# Allegro board Notecarrier-B PCB v2.1.brd
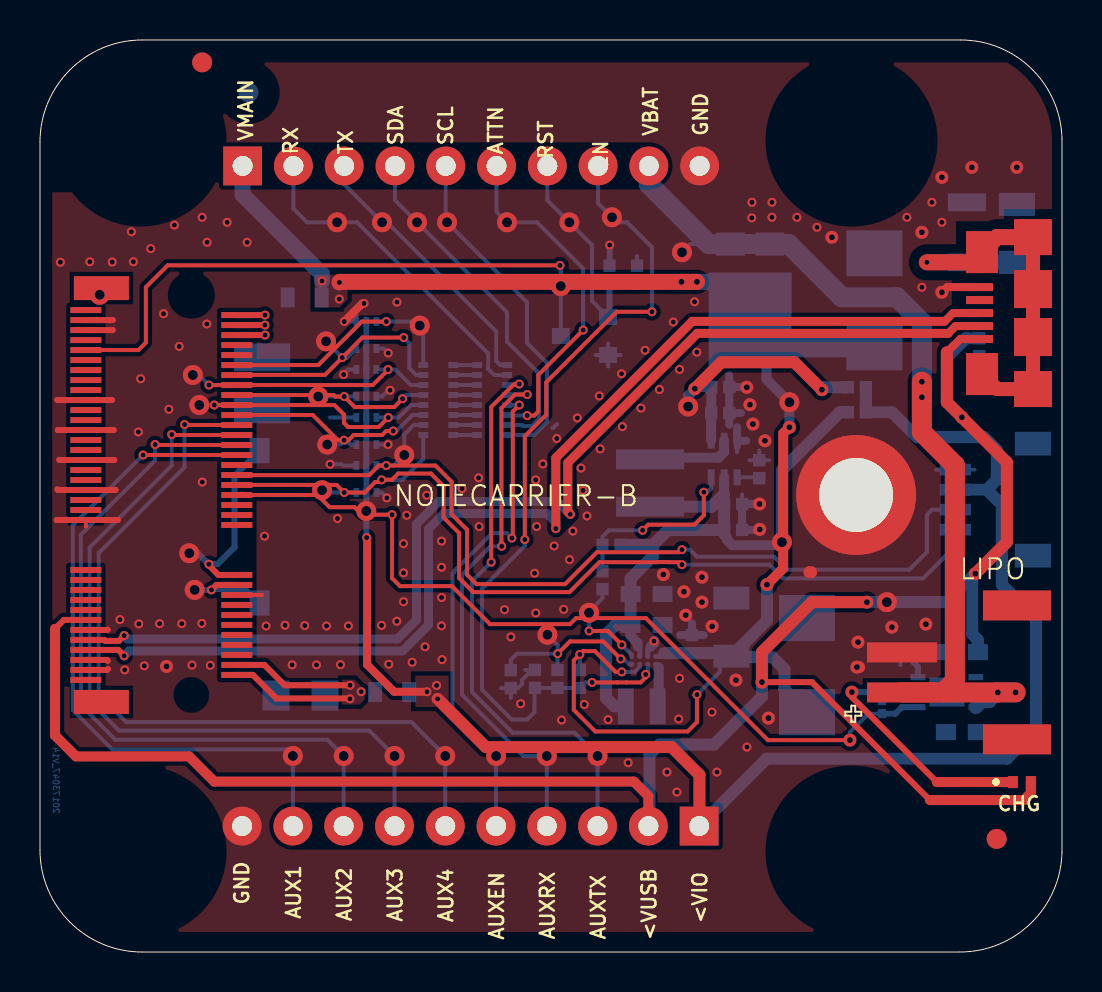
[diagram p0: board, top side]
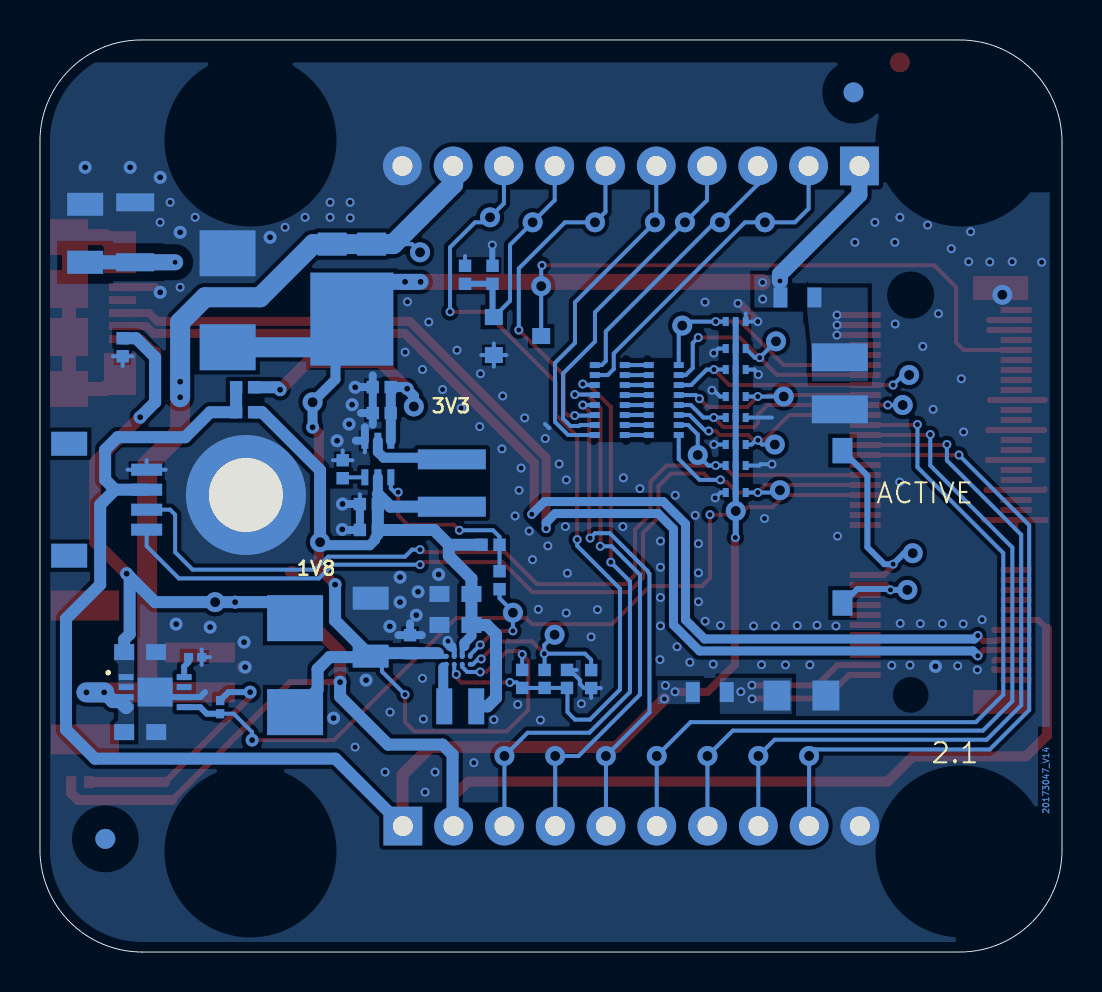
[diagram p1: board, bottom side, seen from below]

Outline 51.12 x 45.62 mm; copper layers: TOP, BOTTOM. Coordinates in mm from the lower left corner of the outline.
Outline path: 0,40.51 0,5.11 arc(1.5,1.5) 5.11,0 46.01,0 arc(49.58,1.46) 51.12,5 51.12,40.66 arc(49.6,44.17) 46.06,45.62 5.11,45.62 arc(1.5,44.12) 0,40.51

## Design rules (mm)
constraint set DEFAULT: pair gap 0.2
net group USB_CON_EXT_90: nets USB_DM USB_DP

## Placement (name value [footprint] x y rotation side)
C7  100n/16V  [CS-C-0402]  34.02 28.26 0 bottom
C8  10u/6.3V-X5R  [CS-C-0402]  34.02 26.96 0 bottom
C9  10u/6.3V-X5R  [CS-C-0402]  34.67 21.11 0 bottom
C10  100n/16V  [CS-C-0402]  34.67 22.41 0 bottom
C13  47u/16V-X5R  [CS-C-1206]  34.58 16.3 90 bottom
C14  4.7u/6.3V-X5R  [CS-C-0402]  32.61 15.4 90 bottom
C15  10u/10V-X5R  [CS-C-0603]  30.34 16.36 0 bottom
C16  10u/10V-X5R  [CS-C-0603]  30.34 17.91 0 bottom
C111  100n/16V  [CS-C-0402]  46.98 30.25 270 bottom
C112  10n/1kV  [CS-C-1206]  48.86 36 90 bottom
C113  NU  [CS-T-A]  13.03 12.83 180 bottom
C114  NU  [CS-T-B]  11.11 29.75 270 bottom
C115  100n/16V  [CS-C-0402]  28.48 33.88 90 bottom
C116  100n/16V  [CS-C-0402]  24.76 13.66 90 bottom
C117  4.7u/10V/X5R  [CS-C-0603]  46.11 11 180 bottom
C118  4.7u/10V/X5R  [CS-C-0603]  46.11 15 180 bottom
DS4  NU  [SOT563]  16.32 23.66 0 bottom
DS5  NU  [SOT563]  16.32 28.46 0 bottom
DS6  NU  [SOT563]  16.32 26.06 0 bottom
DS10  NU  [SOT563]  16.32 30.86 0 bottom
DS14  STPS3H100U  [SMB]  38.36 12 90 bottom
DS15  FSV1045V  [TO277-3]  35.52 32.66 0 bottom
DSW1  DIP-SW-CHS-01TB  [DSS-CHS-01TB]  10.98 21.27 180 bottom
F1  SF-0603F150-2  [FS-0603]  17.62 13 180 bottom
F2  3.5A/32V  [FS-0603]  13.24 32.74 180 bottom
FID1  TPS  [FIDUCIAL]  47.85 5.66 0 top
FID2  TPS  [FIDUCIAL]  8.11 44.5 0 top
FID3  TPS  [FIDUCIAL]  47.85 5.66 180 bottom
FID4  TPS  [FIDUCIAL]  10.43 43 180 bottom
J19  MICROUSB-B  [J-5-0065-FOS-MICROUSB10118192]  47.12 31.96 90 top
J20  MDT420E01001  [J-75-0050-MOS-M2-E]  7.57 22.86 90 top
J21  NU  [J-10-0254-MDT]  32.97 6.3 180 bottom
J22  NU  [J-10-0254-MDT]  10.14 39.32 0 bottom
J23  S2B-PH-SM4-K-TB(LF)(SN)  [J-2-0200-MOS-S2B]  45.97 13.99 270 top
J24  SM04B-SRSS-TBT  [J-4-0100-MOS-SH]  48.23 22.62 270 bottom
L2  1285AS-H-2R2M=P2  [LS-0806]  30.1 12.29 180 bottom
L4  XFL4020-222MEC  [LS-XFL4020]  30.52 23.46 270 bottom
LD1  SML-P12WTT86R  [LD-0402]  49.11 8.5 0 top
NOREF  -  []  46.41 10.6 90 top
NOREF#2  -  []  49.62 8.94 90 top
NOREF#3  -  []  12.74 33.24 0 top
NOREF#4  -  []  33.81 34.84 90 top
NOREF#5  -  []  30.43 6.3 0 top
NOREF#6  -  []  5.03 5.03 90 top
NOREF#7  -  []  24.45 14.42 0 top
NOREF#8  -  []  7.57 12.86 90 top
NOREF#9  -  []  48.86 34.5 90 top
NOREF#10  -  []  43.12 12.99 90 top
NOREF#11  -  []  -55.03 33.81 0 top
NOREF#12  -  []  12.48 12.08 90 top
NOREF#13  -  []  40.1 28.56 0 top
NOREF#14  -  []  7.57 32.86 0 top
NOREF#15  -  []  27.97 30.26 0 top
NOREF#16  -  []  31.02 20.57 90 top
NOREF#17  -  []  33.57 23.75 90 top
NOREF#18  -  []  46.41 14.6 90 top
NOREF#19  -  []  15.82 26.73 0 top
NOREF#20  -  []  37.24 29.54 90 top
NOREF#21  -  []  27.82 18.46 0 top
NOREF#22  -  []  34.81 21.42 0 top
NOREF#23  -  []  33.57 25.57 0 top
NOREF#24  -  []  42.42 28.46 0 top
NOREF#25  -  []  15.67 27.56 90 top
NOREF#26  -  []  23.37 28.86 90 top
NOREF#27  -  []  9.85 13.86 90 top
NOREF#28  -  []  21.72 29.11 90 top
NOREF#29  -  []  5.11 0 90 top
NOREF#30  -  []  50.25 6.31 0 top
NOREF#31  -  []  29.54 17.91 0 top
NOREF#32  -  []  10.48 24.44 90 top
NOREF#33  -  []  38.36 12 90 top
NOREF#34  -  []  46.67 30.11 0 top
NOREF#35  -  []  36.29 23.39 90 top
NOREF#36  -  []  16.67 28.01 0 top
NOREF#37  -  []  16.67 25.61 0 top
NOREF#38  -  []  24.76 13.21 90 top
NOREF#39  -  []  21.87 29.36 0 top
NOREF#40  -  []  16.82 27.79 90 top
NOREF#41  -  []  0 40.51 0 top
NOREF#42  -  []  34.47 25.4 0 top
NOREF#43  -  []  15.67 29.96 90 top
NOREF#44  -  []  0 40.51 0 top
NOREF#45  -  []  32.3 16.16 0 top
NOREF#46  -  []  40.51 0 90 top
NOREF#47  -  []  17.57 21.56 90 top
NOREF#48  -  []  26.19 12.9 90 top
NOREF#49  -  []  22.02 25.61 90 top
NOREF#50  -  []  15.67 22.76 90 top
NOREF#51  -  []  2.3 28.11 90 top
NOREF#52  -  []  16.67 30.41 0 top
NOREF#53  -  []  40.82 22.86 90 top
NOREF#54  -  []  20.52 25.61 0 top
NOREF#55  -  []  43.92 14.54 90 top
NOREF#56  -  []  34.81 22.72 0 top
NOREF#57  -  []  40.1 27.31 0 top
NOREF#58  -  []  26.05 30.81 0 top
NOREF#59  -  []  35.27 23.57 90 top
NOREF#60  -  []  7.57 32.86 0 top
NOREF#61  -  []  23.24 14.41 0 top
NOREF#62  -  []  33.58 26.96 0 top
NOREF#63  -  []  30.5 13.19 0 top
NOREF#64  -  []  40.82 22.86 0 top
NOREF#65  -  []  25.57 13.52 0 top
NOREF#66  -  []  40.41 27 0 top
NOREF#67  -  []  35.43 22.1 90 top
NOREF#68  -  []  28.9 11.39 0 top
NOREF#69  -  []  30.17 33.12 90 top
NOREF#70  -  []  44.63 13.88 0 top
NOREF#71  -  []  30.8 14.39 90 top
NOREF#72  -  []  45.91 38.45 0 top
NOREF#73  -  []  18.82 12.5 90 top
NOREF#74  -  []  2.3 13.61 90 top
NOREF#75  -  []  23.55 13.2 90 top
NOREF#76  -  []  45.62 32.06 90 top
NOREF#77  -  []  17.12 13.5 0 top
NOREF#78  -  []  44.06 11.88 90 top
NOREF#79  -  []  40.72 26.69 90 top
NOREF#80  -  []  0 40.51 0 top
NOREF#81  -  []  2.15 12.84 90 top
NOREF#82  -  []  14.44 32.24 90 top
NOREF#83  -  []  43.03 14.75 0 top
NOREF#84  -  []  34.16 28.57 0 top
NOREF#85  -  []  28.72 20.68 0 top
NOREF#86  -  []  35.16 16.8 90 top
NOREF#87  -  []  40.51 0 90 top
NOREF#88  -  []  15.67 25.16 90 top
NOREF#89  -  []  40.59 31.65 0 top
NOREF#90  -  []  9.7 13.09 90 top
NOREF#91  -  []  43.46 14.96 0 top
NOREF#92  -  []  11.13 13.58 0 top
NOREF#93  -  []  35.43 20.8 90 top
NOREF#94  -  []  35.67 24.01 0 top
NOREF#95  -  []  37.24 29.54 0 top
NOREF#96  -  []  16.82 25.39 90 top
NOREF#97  -  []  40.59 40.59 0 top
NOREF#98  -  []  10.41 28.35 90 top
NOREF#99  -  []  7.57 12.86 90 top
NOREF#100  -  []  49.44 36.5 90 top
NOREF#101  -  []  3.36 40.59 0 top
NOREF#102  -  []  11.11 27.15 90 top
NOREF#103  -  []  40.72 27.94 90 top
NOREF#104  -  []  47.3 29.49 90 top
NOREF#105  -  []  35.52 30.66 90 top
NOREF#106  -  []  9.85 18.36 90 top
NOREF#107  -  []  16.67 23.21 0 top
NOREF#108  -  []  49.81 8.2 90 top
NOREF#109  -  []  32.92 15.54 90 top
NOREF#110  -  []  5.03 40.59 0 top
NOREF#111  -  []  48.12 19.04 0 top
NOREF#112  -  []  40.51 0 90 top
NOREF#113  -  []  1.3 1.71 0 top
NOREF#114  -  []  3.67 31.84 90 top
NOREF#115  -  []  46.98 29.8 90 top
NOREF#116  -  []  46.36 34.5 90 top
NOREF#117  -  []  43.62 11.24 90 top
NOREF#118  -  []  42.34 12.37 90 top
NOREF#119  -  []  29.34 20.06 90 top
NOREF#120  -  []  -49.38 0 0 top
NOREF#121  -  []  2.3 13.61 0 top
NOREF#122  -  []  43.12 14.99 0 top
NOREF#123  -  []  28.13 18.15 90 top
NOREF#124  -  []  43.02 31.16 90 top
NOREF#125  -  []  25.6 30.41 90 top
NOREF#126  -  []  16.42 12.5 0 top
NOREF#127  -  []  27 13.21 90 top
NOREF#128  -  []  46.99 30.66 90 top
NOREF#129  -  []  40.51 0 90 top
NOREF#130  -  []  40.59 28.85 90 top
NOREF#131  -  []  34.01 13.9 0 top
NOREF#132  -  []  44.97 28.46 0 top
NOREF#133  -  []  28.48 33.42 90 top
NOREF#134  -  []  29.86 33.42 90 top
NOREF#135  -  []  45.91 33.55 90 top
NOREF#136  -  []  -2.43 22.31 90 top
NOREF#137  -  []  48.28 33.6 0 top
NOREF#138  -  []  34.54 35.41 0 top
NOREF#139  -  []  40.59 40.59 90 top
NOREF#140  -  []  19.32 25.61 90 top
NOREF#141  -  []  34.79 27.95 90 top
NOREF#142  -  []  51.82 27.96 90 top
NOREF#143  -  []  42.42 28.46 0 top
NOREF#144  -  []  5.03 40.59 90 top
NOREF#145  -  []  10.98 17.46 90 top
NOREF#146  -  []  27.41 39.33 0 top
NOREF#147  -  []  28.18 34.63 0 top
NOREF#148  -  []  -55.03 11.91 0 top
NOREF#149  -  []  28.42 29.86 90 top
NOREF#150  -  []  25.88 13.21 90 top
NOREF#151  -  []  15.82 24.34 0 top
NOREF#152  -  []  42.11 11.92 90 top
NOREF#153  -  []  19.17 29.36 0 top
NOREF#154  -  []  -50.93 0 0 top
NOREF#155  -  []  45.62 31.41 90 top
NOREF#156  -  []  11.13 12.08 0 top
NOREF#157  -  []  48.41 8.8 0 top
NOREF#158  -  []  19.02 29.11 90 top
NOREF#159  -  []  49.67 35.76 90 top
NOREF#160  -  []  40.59 5.03 0 top
NOREF#161  -  []  32.61 14.95 90 top
NOREF#162  -  []  30.52 22.27 90 top
NOREF#163  -  []  40.41 28.25 0 top
NOREF#164  -  []  41.73 30.25 90 top
NOREF#165  -  []  49.12 32.76 0 top
NOREF#166  -  []  42.42 28.46 90 top
NOREF#167  -  []  10.48 18.09 0 top
NOREF#168  -  []  30.4 15.06 90 top
NOREF#169  -  []  10.14 39.32 0 top
NOREF#170  -  []  29.6 14.79 0 top
NOREF#171  -  []  22.02 25.61 90 top
NOREF#172  -  []  29.54 16.36 0 top
NOREF#173  -  []  15.82 31.54 0 top
NOREF#174  -  []  37.21 13.4 0 top
NOREF#175  -  []  46.81 13.25 90 top
NOREF#176  -  []  37.21 10.6 90 top
NOREF#177  -  []  37.82 22.86 0 top
NOREF#178  -  []  34.58 14.8 90 top
NOREF#179  -  []  46.66 11.88 0 top
NOREF#180  -  []  20.67 28.86 90 top
NOREF#181  -  []  46.87 28.46 0 top
NOREF#182  -  []  29.55 33.73 0 top
NOREF#183  -  []  -2.43 21.81 90 top
NOREF#184  -  []  28.45 17.84 90 top
NOREF#185  -  []  15.82 29.14 0 top
NOREF#186  -  []  48.22 32.76 0 top
NOREF#187  -  []  33.58 28.26 0 top
NOREF#188  -  []  20.67 28.86 90 top
NOREF#189  -  []  29.04 15.96 90 top
NOREF#190  -  []  23.22 25.61 0 top
NOREF#191  -  []  -3.38 28.73 0 top
NOREF#192  -  []  2.47 34.59 0 top
NOREF#193  -  []  23.86 13.79 90 top
NOREF#194  -  []  12.04 32.24 0 top
NOREF#195  -  []  48.91 8.2 0 top
NOREF#196  -  []  -109.91 -125.97 0 top
NOREF#197  -  []  19.32 25.61 90 top
NOREF#198  -  []  45.31 11 0 top
NOREF#199  -  []  41.88 12.79 0 top
NOREF#200  -  []  46.09 12.12 90 top
NOREF#201  -  []  42.62 13.24 90 top
NOREF#202  -  []  16.82 30.18 90 top
NOREF#203  -  []  16.82 22.98 90 top
NOREF#204  -  []  45.31 15 0 top
NOREF#205  -  []  28.13 20.37 0 top
NOREF#206  -  []  34.16 27.27 0 top
NOREF#207  -  []  30.64 18.31 0 top
NOREF#208  -  []  30.64 16.76 0 top
NOREF#209  -  []  -49.38 45.62 0 top
NOREF#210  -  []  27.31 13.8 90 top
NOREF#211  -  []  0 5.11 0 top
NOREF#212  -  []  9.7 15.09 0 top
NOREF#213  -  []  7.57 12.86 90 top
NOREF#214  -  []  29.04 17.51 90 top
NOREF#215  -  []  3.07 12.51 90 top
NOREF#216  -  []  25.07 13.8 90 top
NOREF#217  -  []  35.52 30.66 90 top
NOREF#218  -  []  42.68 0 90 top
NOREF#219  -  []  10.41 28.55 0 top
NOREF#220  -  []  35.98 23.7 90 top
NOREF#221  -  []  23.37 28.86 90 top
NOREF#222  -  []  2.15 31.39 0 top
NOREF#223  -  []  3.46 5.53 0 top
NOREF#224  -  []  42.62 14.74 0 top
NOREF#225  -  []  30.02 20.57 0 top
NOREF#226  -  []  34.22 21.11 0 top
NOREF#227  -  []  44.81 15.4 0 top
NOREF#228  -  []  17.57 22.06 90 top
NOREF#229  -  []  33.81 34.84 0 top
NOREF#230  -  []  38.97 22.86 0 top
NOREF#231  -  []  32.97 6.3 0 top
NOREF#232  -  []  26.69 14.42 0 top
NOREF#233  -  []  34.79 26.65 90 top
NOREF#234  -  []  2.15 12.84 90 top
NOREF#235  -  []  9.85 13.86 90 top
NOREF#236  -  []  31.3 11.39 90 top
NOREF#237  -  []  44.81 11.4 0 top
NOREF#238  -  []  34.22 22.41 0 top
NOREF#239  -  []  28.79 34.02 90 top
NOREF#240  -  []  43.91 12.25 0 top
NOREF#241  -  [unnamed#2]  5.03 40.59 180 bottom
NOREF#242  -  [unnamed#2]  40.59 40.59 180 bottom
NOREF#243  -  [unnamed#2]  40.59 5.03 180 bottom
NOREF#244  -  [unnamed#2]  5.03 5.03 180 bottom
OBJ1  9774025151R  [DIST-WASMSIM0250]  40.82 22.86 0 top
Q2  AO3420  [SOT23]  28.42 31.76 0 bottom
R5  1k  [RS-0201]  42.11 12.25 90 bottom
R6  82k  [RS-0402]  35.98 24.15 270 bottom
R7  2.8k  [RS-0201]  43.36 14.75 0 bottom
R10  10M/5%  [RS-0402]  27 13.66 90 bottom
R307  1M  [RS-1206]  46.36 36 90 bottom
R318  0R  [RS-0402]  28.59 20.37 0 bottom
R319  1k  [RS-0402]  29.86 33.88 270 bottom
R322  0R  [RS-0402]  23.55 13.65 90 bottom
R323  NU  [RS-0402]  25.88 13.66 270 bottom
R324  NU  [RS-0402]  28.13 18.6 270 bottom
R325  0R  [RS-0402]  40.86 28.25 180 bottom
R326  NU  [RS-0402]  40.86 27 180 bottom
RR1  100R/5%  [RR-8X-1506]  22.62 27.61 270 bottom
RR2  100R/5%  [RR-8X-1506]  19.92 27.61 270 bottom
TVS1  SM6T6V8A  [SMB]  41.73 30.25 90 bottom
U3  MAX17225ELT  [WDFN6-0200X0200]  34.22 24.66 270 bottom
U4  TPS62748YFPT  [XFBGA8]  30.2 14.59 270 bottom
U5  MCP73831-2ACI/MC  [VFDFN8-EXP]  45.36 13 270 bottom

## Library data of the parts
C7 C10 C115 C116 = CS-C-0402-100n/16V
C8 C9 = CS-C-0402-10u/6V3-X5R
C13 = CS-C-1206-47u/16V-X5R: room: DC-DC 1V8
C14 = CS-C-0402-4.7u/6V3-X5R: room: DC-DC 1V8
C15 C16 = CS-C-0603-10u/10V-X5R
C111 = CS-C-0402-100n/16V: room: USB BOOT
C112 = CS-C-1206-10n/1kV: room: USB BOOT
C113 = CS-T-A-100u/6.3V
C114 = CS-T-B-220u/6.3V
C117 C118 = CS-C-0603-4.7u/10V-X5R
DS4-DS6 DS10 = DIODO4x - BAV99BRVA-7 -0.2A/75V: room: CONNETTORE HAT
DS14 = SCHOTTKY-STPS3H100U - 3A/100V
DS15 = SCHOTTKY - FSV1045V - 10A/45V
DSW1 = DIP-SW-1x-CHS-01TB-SMD
F1 = RAPIDO - SF-0603F150-2-1.5A/32V
F2 = RAPIDO - 0603SFV350F- 3.5A/32V
FID1-FID4 = FIDUCIAL
J19 = USB - MICROUSB-B-FCI10118192
J20 = AMPHENOL-75 - M-2 KEY E_10
J21 J22 = STRIP-J-10-0254-MDT
J23 = PH - J-2-0200-MOS-S2B
J24 = SH - J-4-0100-MDS-SH-BM04B
L2 = L - 1285AS-H-2R2M=P2-2.2u/1.5A: room: DC-DC 1V8
L4 = PW-XFL4020-222ME - 2.2u/3.1A
LD1 = LED G - SML-P12WTT86R - 0402
OBJ1 = DISTANZIALE - M2.5x0250
Q2 = NMOS - AO3420 - 6A/20V
R5 = RS-0201-1k
R6 = RS-0402-82k
R7 = RS-0201-2.8k
R10 = RS-0402-10M/5%
R307 = RS-1206-1M: room: USB BOOT
R318 R322 R325 R326 = RS-0402-0r
R319 = RS-0402-1k
R323 R324 = RS-0402
RR1 RR2 = RR-8X-1506-100r/5%
TVS1 = TVS-UNI - SM6T6V8A - 6.8V/600W
U3 = BOOST -  MAX17225ELT - 0.5A/ADJ
U4 = BUCK - TPS62748YFPT - 0.3A/ADJ: room: DC-DC 1V8
U5 = BAT-CHARGE - MCP73831T-2ACI/MC

## Footprints (pads in the part's own frame, mm; a bottom-side part is the same pattern mirrored in y, then rotated)
CS-C-0402
  rect 0.62x0.62 smd: 1(-0.45,0) 2(0.45,0)
CS-C-0603
  rect 1x0.8 smd: 1(-0.8,0) 2(0.8,0)
CS-C-1206
  rect 1.15x1.8 smd: 1(-1.5,0) 2(1.4,0)
CS-T-A
  rect 1.35x1.5 smd: 1(-1.225,0) 2(1.225,0)
CS-T-B
  rect 1.4x2.8 smd: 1(0,0) 2(2.6,0)
DIST-WASMSIM0250
  round 6 hole 3.7: 1(0,0)
DSS-CHS-01TB
  rect 1x1.27 smd: 1(0,3.81) 2(0,-3.81)
FIDUCIAL
  round 1 smd: 1(0,0)
FS-0603
  rect 0.7x1 smd: 1(-0.85,0) 2(0.85,0)
J-2-0200-MOS-S2B
  rect 1.5x3.4 smd: (-3.35,2.9) (3.35,2.9)
  rect 1x3.5 smd: 1(1,-2.85) 2(-1,-2.85)
J-4-0100-MOS-SH
  rect 1.2x1.8 smd: (-2.8,-1.425) (2.8,-1.425)
  rect 0.6x1.55 smd: 1(-1.5,2.45) 2(-0.5,2.45) 3(0.5,2.45) 4(1.5,2.45)
J-5-0065-FOS-MICROUSB10118192
  rect 0.4x1.35 smd: 1(-1.3,0.125) 2(-0.65,0.125) 3(0,0.125) 4(0.65,0.125) 5(1.3,0.125)
  rect 2.1x1.6 smd: 6(-3.05,0) 7(3.05,0)
  rect 1.9x1.9 smd: 8(-1.2,-2.55) 9(1.2,-2.55)
  rect 1.8x1.9 smd: 10(-3.8,-2.55) 11(3.8,-2.55)
J-10-0254-MDT
  rect 1.94x1.94 hole 1: 1(0,0)
  round 1.94 hole 1: 2(2.54,0) 3(5.08,0) 4(7.62,0) 5(10.16,0) 6(12.7,0) 7(15.24,0) 8(17.78,0) 9(20.32,0) 10(22.86,0)
J-75-0050-MOS-M2-E
  rect 1.2x2.75 smd: (-10.35,4.5) (10.35,4.5)
  round 0 hole 1.1 unplated: (-10,0)
  round 0 hole 1.6 unplated: (10,0)
  rect 0.3x1.55 smd: 1(-9.25,5.275) 2(-9,-2.275) 3(-8.75,5.275) 4(-8.5,-2.275) 5(-8.25,5.275) 6(-8,-2.275) 7(-7.75,5.275) 8(-7.5,-2.275) 9(-7.25,5.275) 10(-7,-2.275) 11(-6.75,5.275) 12(-6.5,-2.275) 13(-6.25,5.275) 14(-6,-2.275) 15(-5.75,5.275) 16(-5.5,-2.275) 17(-5.25,5.275) 18(-5,-2.275) 19(-4.75,5.275) 20(-4.5,-2.275) 21(-4.25,5.275) 22(-4,-2.275) 23(-3.75,5.275) 32(-1.5,-2.275) 33(-1.25,5.275) 34(-1,-2.275) 35(-0.75,5.275) 36(-0.5,-2.275) 37(-0.25,5.275) 38(0,-2.275) 39(0.25,5.275) 40(0.5,-2.275) 41(0.75,5.275) 42(1,-2.275) 43(1.25,5.275) 44(1.5,-2.275) 45(1.75,5.275) 46(2,-2.275) 47(2.25,5.275) 48(2.5,-2.275) 49(2.75,5.275) 50(3,-2.275) 51(3.25,5.275) 52(3.5,-2.275) 53(3.75,5.275) 54(4,-2.275) 55(4.25,5.275) 56(4.5,-2.275) 57(4.75,5.275) 58(5,-2.275) 59(5.25,5.275) 60(5.5,-2.275) 61(5.75,5.275) 62(6,-2.275) 63(6.25,5.275) 64(6.5,-2.275) 65(6.75,5.275) 66(7,-2.275) 67(7.25,5.275) 68(7.5,-2.275) 69(7.75,5.275) 70(8,-2.275) 71(8.25,5.275) 72(8.5,-2.275) 73(8.75,5.275) 74(9,-2.275) 75(9.25,5.275)
LD-0402
  rect 0.5x0.6 smd: 1(-0.45,0) 2(0.45,0)
LS-0806
  rect 0.8x1.8 smd: 1(-0.8,0) 2(0.8,0)
LS-XFL4020
  rect 1x3.4 smd: 1(-1.185,0) 2(1.185,0)
RR-8X-1506
  rect 0.3x0.5 smd: 1(-1.75,-0.75) 2(-1.25,-0.75) 3(-0.75,-0.75) 4(-0.25,-0.75) 5(0.25,-0.75) 6(0.75,-0.75) 7(1.25,-0.75) 8(1.75,-0.75) 9(1.75,0.75) 10(1.25,0.75) 11(0.75,0.75) 12(0.25,0.75) 13(-0.25,0.75) 14(-0.75,0.75) 15(-1.25,0.75) 16(-1.75,0.75)
RS-0201
  rect 0.46x0.42 smd: 1(-0.33,0) 2(0.33,0)
RS-0402
  rect 0.62x0.62 smd: 1(-0.45,0) 2(0.45,0)
RS-1206
  rect 0.9x1.9 smd: 1(-1.5,0) 2(1.5,0)
SMB
  rect 2.3x2.8 smd: 1(0,0) 2(4.7,0)
SOT23
  rect 0.9x0.8 smd: 1(0,0) 2(0,1.9) 3(-2.37,0.95)
SOT563
  rect 0.3x0.45 smd: 1(-0.5,-0.675) 2(0,-0.675) 3(0.5,-0.675) 4(0.5,0.675) 5(0,0.675) 6(-0.5,0.675)
TO277-3
  rect 1.45x1.15 smd: 1(0.985,-2.75) 2(-0.985,-2.75)
  rect 4.15x4.65 smd: 3(0,1)
unnamed#2
  round 0 hole 3.3 unplated: (0,0)
VFDFN8-EXP
  rect 0.3x0.75 smd: 1(-0.75,-1.45) 2(-0.25,-1.45) 3(0.25,-1.45) 4(0.75,-1.45) 5(0.75,1.45) 6(0.25,1.45) 7(-0.25,1.45) 8(-0.75,1.45)
  rect 1.45x1.75 smd: 9(0,0)
WDFN6-0200X0200
  rect 0.8x0.35 smd: 1(-0.915,0.65) 2(-0.915,0) 3(-0.915,-0.65) 4(0.915,-0.65) 5(0.915,0) 6(0.915,0.65)
XFBGA8
  round 0.25 smd: A1(0.2,-0.6) A2(-0.2,-0.6) B1(0.2,-0.2) B2(-0.2,-0.2) C1(0.2,0.2) C2(-0.2,0.2) D1(0.2,0.6) D2(-0.2,0.6)

## Nets
+1V8: C9.1 C10.1 C15.1 C16.1 L2.2 L4.2 R318.2 R326.2 U3.5 U4.C2
+3V3: C7.1 C8.1 R325.2 U3.1
GND: C7.2 C8.2 C9.2 C10.2 C13.2 C14.2 C15.2 C16.2 C111.2 C112.2 C113.2 C114.2 C115.2 C116.2 C117.2 C118.2 DS4.1 DS4.4 DS5.1 DS5.4 DS6.1 DS6.4 DS10.1 DS10.4 J19.5 J20.3 J20.5 J20.6 J20.11 J20.18 J20.33 J20.39 J20.45 J20.51 J20.57 J20.71 J20.73 J21.10 J22.10 J23.2 J24.1 OBJ1.1 Q2.2(S) R6.1 R7.1 R307.2 R319.1 R322.1 TVS1.2 U3.3 U4.B2 U5.6(VSS) U5.9
VBAT: C117.1 DS15.1 DS15.2 J22.9 J23.1 U5.3 U5.4
ATTN: J22.6 RR1.6
ATTN_P: DS6.6 J20.54 RR2.11
AUX1: J20.46 J21.9
AUX2: J20.48 J21.8
AUX3: J20.50 J21.7
AUX4: J20.52 J21.6
AUX5: J20.38 R5.1 U5.5
AUX_EN: J21.5 RR1.5
AUX_EN_P: DS6.3 J20.56 RR2.12
AUX_RX: J21.4 RR1.4
AUX_RX_P: DS5.6 J20.58 RR2.13
AUX_TX: J21.3 RR1.3
AUX_TX_P: DS5.3 J20.60 RR2.14
BOOST_EN: R324.2 U4.D2
EN: C116.1 J22.8 R10.1 R323.2 U4.B1
NRST: J20.67 Q2.3
RST: C115.1 J22.7 Q2.1 R319.2
RX: J22.2 RR1.2
RX_P: DS10.6 J20.62 RR2.15
SCL: J22.5 RR1.8
SCL_P: DS4.6 J20.40 J24.4 RR2.9
SDA: J22.4 RR1.7
SDA_P: DS4.3 J20.42 J24.3 RR2.10
TX: J22.3 RR1.1
TX_P: DS10.3 J20.64 RR2.16
USB_DM: J19.2 J20.9
USB_DP: J19.3 J20.7
USB_SHIELD: C112.1 J19.6 J19.7 J19.8 J19.9 J19.10 J19.11 R307.1
VACT_GPS_OUT: DSW1.2 J20.20
VIO: DS4.2 DS4.5(C2) DS5.2 DS5.5(C2) DS6.2 DS6.5(C2) DS10.2 DS10.5(C2) F1.1 J21.1 J24.2 R325.1 R326.1
VIO_P: C113.1 F1.2 J20.2 J20.4
VMODEM: C13.1 C14.1 DS14.1(C) DS15.3(C) F2.1 J22.1 R10.2 TVS1.1(C) U4.A2 U4.C1(VSEL)
VMODEM_P: C114.1 F2.2 J20.70 J20.72 J20.74
VUSB: C111.1 C118.1 DS14.2 J19.1(VCC) J20.13(VUSB) J21.2 LD1.2 U5.1 U5.2
N16831233: L4.1 U3.2
N16831267: R318.1 R324.1 U3.6
N16831291: R6.2 U3.4(SEL)
N16853996: L2.1(C) U4.A1
N16854042: R322.2 R323.1 U4.D1
N16931653: RR1.16 RR2.1
N16931655: RR1.15 RR2.2
N16931657: RR1.14 RR2.3
N16931659: RR1.13 RR2.4
N16931661: RR1.12 RR2.5
N16931663: RR1.11 RR2.6
N16931665: RR1.10 RR2.7
N16931667: RR1.9 RR2.8
N16944507: DSW1.1 J20.22
N17085499: LD1.1(C) R5.2
N17085534: R7.2 U5.8

Pads without a net: FID1 1; FID2 1; FID3 1; FID4 1; J19 4; J20 1 8 10 12 14 15 16 17 19 21 23 32 34 35 36 37 41 43 44 47 49 53 55 59 61 63 65 66 68 69 75; U5 7

## Via types
v1: diameter 0.65, hole 0.3, TOP to BOTTOM, 41 vias
v2: diameter 1, hole 0.5, TOP to BOTTOM, 34 vias
v3: diameter 0.45, hole 0.254, TOP to BOTTOM, 178 vias

## Routing (per net, layer and track width the routed paths; a pad name or vN(x,y) marks a point on that pad's centre or on a via; arc(x,y) is an arc through that point)
+1V8: length 35.7
  BOTTOM w0.25: 29.89,15.3 30,15.19 U4.C2
  BOTTOM w0.5: U3.5 C10.1 ; 29.89,15.3 29.89,15.46 29.54,15.81 C15.1 ; C9.1 34.22,20.85 34.36,20.71 34.36,20.61 34.62,20.35 36.96,20.35 v2(37.11,20.5)
  BOTTOM w0.6: 30.67,20.37 31.41,21.11 C9.1 C10.1 ; 30.67,20.37 30.67,19.81 29.54,18.68 C16.1 C15.1 28.77,16.36 28.31,15.9 28.31,12.71 28.73,12.29 L2.2 ; 30.67,20.37 R318.2 ; R326.2 40.01,27 37.11,24.1 v2(37.11,20.5) ; 34.22,22.9 33.59,22.27 L4.2
+3V3: length 13.9
  TOP w0.6: v1(39.11,28.12) 37.73,29.5 34.08,29.5 v1(32.75,28.18)
  BOTTOM w0.5: v1(32.75,28.18) 32.73,28.16 32.73,28.12 32.42,27.81 ; U3.1 33.57,26.95 C8.1 C7.1 32.87,28.26 32.42,27.81 ; v2(32.42,27.29) 32.42,27.81
  BOTTOM w0.6: R325.2 39.23,28.25 v1(39.11,28.12)
GND: length 61.3
  TOP w0.2: 2.3,21.28 J20.33 ; 11.09,17.86 11.09,17.86 9.85,17.86
  TOP w0.3: 3.6,27.62 3.59,27.61 J20.57 0.87,27.61 0.87,27.62 ; 0.87,23.15 0.91,23.11 J20.39 3.77,23.11 ; 3.39,16.12 3.37,16.11 J20.11 ; 0.89,26.11 0.9,26.11 J20.51 3.68,26.11 3.69,26.11 ; 3.64,31.61 3.64,31.61 J20.73 ; 0.97,24.62 0.98,24.61 J20.45 3.71,24.61 3.71,24.61 ; J20.3 3.36,14.11 3.4,14.15 ; 3.39,14.56 3.34,14.61 J20.5 ; 0.83,21.6 0.84,21.61 J20.33 3.89,21.61 3.89,21.61 ; 3.64,31.11 J20.71
  TOP w0.4: v1(45.11,33) 45.37,33.26 J19.5 ; 15.61,31.93 16.13,32.45 v3(16.21,32.45) ; 15.6,31.92 v3(15.22,31.54)
  TOP w0.6: 38.57,19 38.48,19 ; v1(40.86,14.25) 40.97,14.25
  BOTTOM w0.2: DS5.1 15.39,29.14 15.22,28.96 15.22,28.92 v3(15.19,28.89) ; C10.2 35.12,22.9 ; R6.1 36.47,24.6 ; R6.1 35.49,24.6 ; R6.1 35.98,25.09 ; R322.1 23.91,13.2 24.11,13.4 24.11,13.6 24.51,14 24.65,14 C116.2 24.27,14.11 ; R322.1 23.55,12.71 ; R322.1 23.06,13.2 ; 43.03,14.36 R7.1 ; R7.1 42.62,14.75 ; R7.1 43.03,15.14 ; v3(15.22,31.54) DS10.1 15.82,31.94 ; Q2.2 28.42,30.44 ; Q2.2 28.42,29.28 ; Q2.2 29.05,29.86 ; Q2.2 27.79,29.86 ; C115.2 28.48,34.81 ; 25.86,26.41 25.66,26.21 25.63,26.21 ; v3(17.42,29.96) 17.2,30.18 DS10.4 ; 46.98,29.31 C111.2 ; C111.2 46.5,29.8 ; C111.2 47.47,29.8 ; J24.1 45.78,24.6 ; J24.1 44.83,24.12 ; J24.1 46.74,24.12 ; DS4.1 15.14,24.34 15.07,24.4 v3(14.51,24.4) ; v3(17.41,25.39) DS6.4 ; R319.1 29.86,34.81 ; 10.11,6.3 J21.10 ; DS5.4 17.11,27.79 17.42,28.1 v3(17.51,28.1) ; DS4.4 17.08,22.98 v3(17.35,22.71) ; 34.87,25 U3.3 ; 14.51,26.73 DS6.1
  BOTTOM w0.25: U4.B2 30.4,15.13 30.54,15.27
  BOTTOM w0.3: v3(28.5,35.36) 28.5,34.34 C115.2 ; 42.86,13 43.11,12.75 U5.6 45.11,12.75 U5.9
  BOTTOM w0.4: v1(36,21.14) 35.97,21.11 C9.2 C10.2 v1(35.99,22.41) ; C7.2 35.06,28.26 ; C7.2 34.48,28.85 ; C7.2 C8.2 ; C14.2 32.61,16.44 ; C14.2 33.2,15.85 ; C14.2 32.02,15.85 ; C8.2 35.06,26.96 ; C8.2 34.48,26.37 ; 35.32,25.57 U3.3 34.87,26.25
  BOTTOM w0.5: 30.73,15.57 30.73,15.46 30.54,15.27
  vias: v1(6.33,14.29) v1(31.18,18.88) v1(32.21,18.02) v1(32.3,16.85) v1(33.11,18.75) v1(33.11,17.5) v1(33.62,16.29) v1(34.81,13.6) v1(35.36,28.25) v1(35.51,27.38) v1(35.66,26.41) v1(36.26,25.57) v1(36.44,11.7) v1(39.61,35.75) v1(40.91,15.5) v1(42.61,16.25) v1(44.11,36) v1(44.31,16.4) v1(45.11,38.75) v1(46.61,39.25) v1(48.86,39.25) v2(2.99,32.88) v3(1.02,34.5) v3(2.49,34.53) v3(3.61,34.52) v3(4,16.63) v3(4.24,14.11) v3(4.57,36.03) v3(4.67,34.53) v3(4.92,26.01) v3(4.94,16.41) v3(5.04,28.68) v3(5.22,14.31) v3(5.54,35.18) v3(5.98,16.42) v3(6.18,31.93) v3(6.45,27.15) v3(6.72,36.36) v3(6.96,30.29) v3(7.09,16.42) v3(7.6,14.35) v3(8.11,36.75) v3(8.12,23.51) v3(8.09,16.44) v3(8.36,35.5) v3(8.35,31.41) v3(8.52,14.34) v3(9.36,36.5) v3(10.36,35.5) v3(11.23,20.8) v3(11.31,16.31) v3(12.26,16.35) v3(12.61,14.36) v3(13.24,16.33) v3(13.83,14.36) v3(14.33,16.31) v3(14.88,21.69) v3(15.03,14.37) v3(15.43,16.31) v3(17.08,16.34) v3(17.45,14.4) v3(17.86,32.51) v3(17.85,16.55) v3(18.18,20.43) v3(18.18,18.97) v3(18.18,17.52) v3(18.35,21.84) v3(18.62,14.49) v3(19.26,15.27) v3(19.35,22.85) v3(20.09,20.55) v3(20.09,19.24) v3(20.09,17.73) v3(20.08,16.31) v3(20.11,14.62) v3(21.11,23.18) v3(21.94,23.72) v3(21.97,21.28) v3(23.23,17.12) v3(23.55,15.76) v3(24.04,12.42) v3(24.74,18.95) v3(24.79,23.62) v3(24.84,21.28) v3(24.8,16.96) v3(25.15,24.41) v3(25.72,20.31) v3(25.85,25.69) v3(26.09,11.6) v3(26.2,17.14) v3(26.48,19.62) v3(26.65,21.06) v3(26.88,26.71) v3(27.06,24.21) v3(27.16,23.09) v3(27.22,12.38) v3(27.36,21.81) v3(27.98,27.81) v3(28.02,25.17) v3(28.42,11.62) v3(29.09,28.93) v3(29.13,26.28) v3(29.42,9.47) v3(30.06,27.21) v3(30.26,30.1) v3(30.71,15.55) v3(30.98,28.14) v3(31.36,9) v3(31.67,31.51) v3(31.95,11.65) v3(31.86,8) v3(31.99,29.14) v3(31.99,13.69) v3(32.74,32.52) v3(32.85,30.01) v3(33.61,12) v3(33.86,9) v3(35.36,10.25) v3(35.61,37.5) v3(35.6,36.72) v3(36.61,37.5) v3(36.61,36.75) v3(37.86,36.75) v3(38.86,36.25) v3(43.36,36.75) v3(44.11,33.25) v3(44.61,37.5) v3(45.11,36.5)
VBAT: length 47.1
  TOP w1: v1(44.11,28.53) v1(44.11,27.75) 44.11,26 45.76,24.35 45.76,13.56 45.19,12.99 ; 45.19,12.99 v1(47.91,12.99) v1(48.8,12.99) ; 45.19,12.99 J23.1
  BOTTOM w0.2: v2(32.11,35) 32.52,35.41 33.45,35.41
  BOTTOM w0.7: U5.4 47.11,12.55 47.47,12.55 v1(47.91,12.99)
  BOTTOM w1: J22.9 30.45,38.4 33.45,35.41 DS15.2 DS15.1 37.45,35.41 40.11,32.75 42.86,32.75 44.11,31.5 v1(44.11,28.53) v1(44.11,27.75) ; v1(48.8,12.99) v1(47.91,12.99)
ATTN: length 17.5
  TOP w0.2: v3(24.37,26.84) 24.72,26.84 24.92,27.04 24.92,28.86 v3(27.17,31.11)
  BOTTOM w0.2: J22.6 22.84,37.02 v2(23.36,36.5) 24.86,36.5 27.17,34.19 v3(27.17,31.11) ; v3(24.37,26.84) 23.39,26.84 RR1.6
ATTN_P: length 12
  TOP w0.2: J20.54 13.64,26.86 14.9,25.6 v3(15.21,25.6) 15.43,25.6 15.69,25.86 17.11,25.86 17.31,26.06 v3(17.67,26.06)
  BOTTOM w0.2: v2(14.37,25.39) 15.01,25.39 15.21,25.59 v3(15.21,25.6) 15.31,25.6 15.52,25.39 DS6.6 ; v3(17.67,26.06) 17.83,26.06 18.63,26.86 RR2.11
AUX1: length 34.4
  TOP w0.2: 9.85,24.86 v3(5.15,24.86)
  BOTTOM w0.2: v3(5.15,24.86) 1.64,21.35 1.64,12.1 3.61,10.13 12.33,10.13 v2(12.65,9.81) J21.9
AUX2: length 36.4
  TOP w0.2: v3(5.76,25.39) 5.78,25.36 9.85,25.36
  BOTTOM w0.2: J21.8 v2(15.19,9.81) 14.38,10.62 3.77,10.62 2.04,12.35 2.04,20.87 5.76,24.59 v3(5.76,25.39)
AUX3: length 38.2
  TOP w0.2: v3(6.59,25.89) 6.61,25.86 9.85,25.86
  BOTTOM w0.2: J21.7 17.73,6.3 v2(17.73,9.81) 16.47,11.07 3.96,11.07 2.48,12.54 2.48,20.23 6.59,24.34 v3(6.59,25.89)
AUX4: length 40
  TOP w0.2: v3(7.23,26.39) 7.26,26.36 9.85,26.36
  BOTTOM w0.2: v3(7.23,26.39) 7.23,24.25 2.94,19.96 2.94,12.87 4.31,11.5 18.58,11.5 v2(20.27,9.81) J21.6
AUX5: length 42.2
  TOP w0.2: v1(40.51,10.6) 36.41,10.6 30.31,16.7 26.81,16.7 26.51,16.4 22.51,16.4 20.61,18.3 18.01,18.3 17.61,18.7 v3(17.61,21.88) 16.11,21.88 15.73,22.25 14.48,22.25 13.88,22.86 9.85,22.86
  BOTTOM w0.2: R5.1 41.43,11.92 40.51,11 v1(40.51,10.6)
  BOTTOM w0.3: U5.5 43.11,12.25 42.78,11.92 R5.1
AUX_EN: length 24.9
  TOP w0.2: v3(23.97,27.36) 23.65,27.04 23.65,20.75 v3(23.6,20.71)
  BOTTOM w0.2: J21.5 22.81,9.8 v2(22.81,9.81) 20.64,11.98 20.64,18.91 20.71,18.99 20.71,19.04 22.62,20.95 23.36,20.95 v3(23.6,20.71) ; RR1.5 v3(23.97,27.36)
AUX_EN_P: length 13
  TOP w0.2: v3(8.72,27.36) J20.56 14.73,27.36 15.21,26.88 15.21,26.46 15.41,26.26 16.95,26.26 v3(17.42,26.73)
  BOTTOM w0.2: RR2.12 18.56,27.36 17.94,26.73 v3(17.42,26.73) DS6.3 ; v3(8.72,27.36) v2(7.97,27.36)
AUX_RX: length 27.1
  TOP w0.2: v3(23.09,20.3) 23.09,20.47 23.08,20.49 23.08,20.92 23.08,20.93 23.08,27.21 23.75,27.89 v3(24.37,27.89)
  BOTTOM w0.2: RR1.4 23.39,27.89 v3(24.37,27.89) ; J21.4 v2(25.35,9.81) 24.18,9.81 21.11,12.87 21.11,18.88 22.53,20.3 v3(23.09,20.3)
AUX_RX_P: length 11.7
  TOP w0.2: v3(18.14,27.68) 17.72,27.26 15.74,27.26 v3(15.22,27.79) 14.77,27.79 14.69,27.86 9.86,27.86 9.86,27.86 J20.58
  BOTTOM w0.2: RR2.13 18.32,27.86 v3(18.14,27.68) ; v2(13.92,27.79) v3(15.22,27.79) DS5.6
AUX_TX: length 28.3
  TOP w0.2: v3(22.57,19.5) 22.57,27.27 23.71,28.41 v3(23.97,28.41)
  BOTTOM w0.2: v3(22.57,19.5) 21.61,18.54 21.61,13 23.64,10.97 26.73,10.97 v2(27.89,9.81) J21.3 ; RR1.3 23.92,28.36 23.97,28.41 v3(23.97,28.41)
AUX_TX_P: length 13
  TOP w0.2: v3(17.41,29.14) 17.41,29.12 16.65,28.36 J20.60 v3(8.45,28.36)
  BOTTOM w0.2: RR2.14 18.55,28.36 17.77,29.14 v3(17.41,29.14) DS5.3 ; v2(7.65,28.86) 7.95,28.86 v3(8.45,28.36)
BOOST_EN: length 5.1
  TOP w0.2: v3(29.1,15.36) 28.4,16.06 v3(27.46,16.06)
  BOTTOM w0.2: U4.D2 29.6,14.87 v3(29.1,15.36) ; R324.2 28.13,17.7 27.46,17.03 v2(27.46,16.97) v3(27.46,16.06)
EN: length 43.3
  TOP w0.2: v3(24.25,20.63) 24.25,25.8 25.32,26.87 25.32,28.5 28.85,32.02 v3(30.61,32.02) ; v3(30.3,13.88) 30.29,13.87 30.29,13.73 30.05,13.49 29.32,13.49 29.32,13.48 28.88,13.48 28.88,13.49 v3(27.62,13.49)
  BOTTOM w0.2: U4.B1 30.4,14.01 30.3,13.91 v3(30.3,13.88) ; R323.2 R10.1 27.28,13.49 v3(27.62,13.49) ; R323.2 C116.1 24.73,13.19 24.73,12 24.36,11.62 23.61,11.62 22.11,13.12 22.11,18.18 24.25,20.32 v3(24.25,20.63) ; R323.2 25.89,13.2 ; J22.8 27.91,37.45 v2(28.61,36.75) 28.86,36.5 29.36,36.5 30.61,35.25 v3(30.61,32.02)
NRST: length 30.6
  TOP w0.2: v3(26.01,34.35) 6.39,34.35 5.29,33.25 5.29,30.48 4.92,30.11 J20.67
  BOTTOM w0.2: Q2.3 v2(26.05,33.31) 26.05,34.31 v3(26.01,34.35)
RST: length 11.9
  BOTTOM w0.2: Q2.1 27.61,32.57 27.61,35.37 v2(26.48,36.5) 25.38,37.6 J22.7
  BOTTOM w0.3: R319.2 C115.1 28.48,31.82 Q2.1
RX: length 16.7
  BOTTOM w0.2: J22.2 12.68,37.19 13.36,36.5 v2(14.86,36.5) 15.86,36.5 22.42,29.94 22.42,29.16 22.72,28.86 RR1.2
RX_P: length 13.8
  TOP w0.2: J20.62 9.8,28.86 9.79,28.87 14.26,28.87 v3(15.12,29.73) 16.12,30.73 v3(18.2,30.73)
  BOTTOM w0.2: v3(18.2,30.73) 18.47,30.46 18.47,29.21 18.82,28.86 RR2.15 ; DS10.6 15.37,29.73 v3(15.12,29.73) v2(14.31,30.55)
SCL: length 17.2
  BOTTOM w0.2: RR1.8 24.7,25.86 25.36,26.52 25.36,29.46 24.36,30.46 24.36,32.5 v2(20.36,36.5) 20.3,36.56 J22.5
SCL_P: length 49.1
  TOP w0.2: 9.85,23.36 9.87,23.36 9.88,23.36 14.84,23.36 v3(15.22,22.98) 16.24,22.98 16.77,23.51 16.98,23.51 v3(17.09,23.62) 17.1,23.62 17.61,23.62 17.92,23.93 19.55,23.93 20.19,23.3 20.19,21.73 20.96,20.96 20.96,18.71 21.67,18 26.48,18 27.98,19.5 30.92,19.5 30.92,19.5 31.44,19.5 31.44,19.5 31.98,19.5 v3(32.11,19.38)
  BOTTOM w0.2: DS4.6 v3(15.22,22.98) 14.23,22.98 v2(14.11,23.1) ; v3(17.09,23.62) 18.13,23.62 19.17,24.66 RR2.9 ; J24.4 45.78,20.3 44.17,18.69 37.17,18.69 36.48,19.38 v3(32.11,19.38)
SDA: length 17.4
  BOTTOM w0.2: J22.4 17.75,37.61 v2(18.86,36.5) 23.36,32 23.36,30.54 24.96,28.94 24.96,26.68 24.59,26.31 24.15,26.31 24.1,26.36 RR1.7
SDA_P: length 48.2
  TOP w0.2: v3(32.11,20.12) 31.98,20 27.86,20 26.26,18.4 21.84,18.4 21.36,18.88 21.36,21.12 20.59,21.9 20.59,23.52 19.77,24.34 v3(17.32,24.34) 16.95,24.34 16.46,23.85 9.79,23.85 9.8,23.86 9.85,23.86
  BOTTOM w0.2: v3(32.11,20.12) 32.51,20.12 32.86,19.77 36.71,19.77 37.36,19.12 43.48,19.12 44.36,20 44.36,21.88 44.61,22.12 J24.3 ; DS4.3 v3(17.32,24.34) 17.7,24.34 v2(18.22,24.86) 18.22,25.89 18.69,26.36 RR2.10
TX: length 13.7
  BOTTOM w0.2: J22.3 15.21,38.4 16.86,36.75 16.91,36.75 17.11,36.55 v2(17.11,36.5) 17.36,36.5 22.82,31.04 22.82,29.56 23.02,29.36 RR1.1
TX_P: length 12.7
  TOP w0.2: 9.82,29.36 J20.64 13.92,29.36 16.1,31.54 v3(17.32,31.54)
  BOTTOM w0.2: DS10.3 v3(17.32,31.54) 18.8,31.54 v2(19,31.34) 19.17,31.16 RR2.16
USB_DM: length 56.4
  TOP w0.3: v3(4.21,15.83) 3.94,15.56 3.53,15.56 3.27,15.56 3.22,15.61 J20.9
  TOP w0.4: 45.43,30.95 45.8,31.31 J19.2
  TOP w0.45: v3(26.52,21.9) 26.4,22.01 26.4,24.47 32.88,30.95 45.43,30.95
  BOTTOM w0.45: v3(4.21,15.83) 4.38,15.66 17.88,15.66 18.84,16.61 18.84,21.42 19.95,22.53 25.88,22.53 v3(26.52,21.9)
USB_DP: length 57.6
  TOP w0.3: v3(4.21,14.82) 3.92,15.11 J20.7
  TOP w0.4: J19.3 45.67,31.96 45.25,31.55 45.22,31.55
  TOP w0.45: v3(25.8,21.18) 25.8,24.72 32.63,31.55 45.22,31.55
  BOTTOM w0.45: v3(25.8,21.18) 25.8,21.48 25.35,21.93 20.2,21.93 19.43,21.17 19.43,16.36 18.13,15.06 4.45,15.06 v3(4.21,14.82)
USB_SHIELD: length 20.8
  TOP w0.7: J19.11 J19.9 J19.8 J19.10 47.87,28.16 J19.6
  TOP w0.8: J19.11 47.87,35.76 J19.7 46.61,34.5 v3(44.36,34.5)
  BOTTOM w0.7: C112.1 R307.1
  BOTTOM w0.8: R307.1 v3(44.36,34.5)
VACT_GPS_OUT: length 4.9
  TOP w0.3: 9.85,18.36 8.83,18.36 v3(8.58,18.11)
  BOTTOM w0.3: v2(7.74,18.11) v3(8.58,18.11) 8.63,18.16 10.23,18.16 10.94,17.46 DSW1.2
VIO: length 82.2
  TOP w0.4: v3(19.84,13.33) 19.82,13.33 ; v3(16.34,20.73) 16.37,20.7 16.36,14.37 17.72,13.02 v3(19.36,13.02)
  TOP w0.6: v3(19.89,12.66) 22.3,10.25 31.6,10.25 32.98,8.86 32.98,6.32 J21.1
  BOTTOM w0.3: v3(16.34,20.73) 16.32,20.75 v2(16.32,22.06) DS4.5 DS4.2 DS6.5 DS6.2 DS5.5 DS5.2 DS10.5 DS10.2
  BOTTOM w0.6: 47.36,23.12 47.86,23.62 47.86,25.12 47.23,25.75 43.86,25.75 42.61,27 R326.1 R325.1 ; 47.36,23.12 48.11,22.38 48.11,18.38 49.82,16.66 49.82,11.12 48.37,9.67 36.34,9.67 J21.1 ; 47.36,23.12 J24.2
VIO_P: length 12.2
  TOP w0.3: 9.85,13.86 10.65,13.86 11.83,12.68 15.49,12.68 ; v3(15.51,13.34) 12.24,13.34 11.22,14.36 9.85,14.36
  vias: v3(15.5,12.66) v3(16.07,13.02)
VMODEM: length 81.9
  TOP w0.2: v3(29.1,14.01) 28.8,14.01 27.76,15.05 27.16,15.05 v3(27,14.89) 26.7,14.59 26.7,12.11 27.78,11.03 32.39,11.03 32.86,11.5 v3(32.86,12.88)
  TOP w0.5: v1(36.36,18.38) 37.17,19.19 37.17,25.94 v1(37.48,26.25)
  TOP w0.8: v3(14.98,33.49) 15.01,33.52 v1(32.08,33.52) v1(32.86,33.52)
  BOTTOM w0.2: U4.C1 30,14.26 29.75,14.01 v3(29.1,14.01) ; R10.2 v3(27,14.89) ; 34.58,14.6 C13.1 34.02,14.23 34.02,14.03 v3(32.86,12.88)
  BOTTOM w0.25: U4.A2 31.06,14.79 31.22,14.95
  BOTTOM w0.5: v1(37.48,26.25) v2(37.48,27.5) 36.34,28.64 36.34,30.84
  BOTTOM w0.6: 34.78,15 35.03,14.75 36.63,14.75 37.23,14.15 37.23,13.12 DS14.1 38.44,11.92 ; 34.78,15 C13.1 34.43,14.95 C14.1 31.22,14.95 ; 34.78,15 36.36,16.58 v1(36.36,18.38)
  BOTTOM w0.8: DS15.3 33.66,33.52 v1(32.86,33.52) v1(32.08,33.52) ; v3(14.11,33.57) 14.11,33.9 10.14,37.88 J22.1
  BOTTOM w1: TVS1.1 36.93,30.25 DS15.3
  vias: v3(14.97,32.66)
VMODEM_P: length 4.2
  TOP w0.3: J20.70 v3(11.26,30.86) ; J20.72 v3(11.25,31.36) ; J20.74 v3(11.26,31.86)
VUSB: length 108.6
  TOP w0.3: 0.75,16.17 1.19,16.61 J20.13 ; 44.51,7.6 38.61,13.5 v1(36.11,13.5)
  TOP w0.4: 45.36,30 45.68,30.32 45.69,30.32 46.03,30.66 J19.1
  TOP w0.5: 44.51,7.6 49.21,7.6 49.56,7.95 LD1.2 ; J21.2 30.43,7.8 29.71,8.53 8.72,8.53 7.46,9.79 1.8,9.79 0.75,10.83 0.75,16.17
  TOP w0.6: 45.36,30 45.36,27.5 v1(46.11,26.75) 48.36,24.5 48.36,20.5 v1(46.78,18.93) ; v1(41.36,17.5) 38.61,17.5 36.11,15 v1(36.11,13.5)
  BOTTOM w0.6: C118.1 46.91,15.62 46.63,15.9 46.63,18.77 ; C111.1 46.31,30.7 45.36,29.75 45.36,27.5 v1(46.11,26.75) ; J21.2 30.48,6.36 30.48,9.88 30.98,10.38 33.71,10.38 36.11,12.78 v1(36.11,13.5) ; DS14.2 38.36,16.9 38.96,17.5 v1(41.36,17.5) v2(42.36,17.5) 45.36,17.5 46.63,18.77 ; 46.63,18.77 v1(46.78,18.93)
N16831233: length 4.4
  BOTTOM w0.5: L4.1 30.62,24.64 30.7,24.73 33.93,24.73 34.22,25.01 U3.2
N16831267: length 9.4
  TOP w0.2: v3(30.14,21.1) 30.42,21.38 32.73,21.38 33.2,21.84 v3(33.2,23)
  BOTTOM w0.2: v3(30.14,21.1) 28.46,21.1 28.13,20.77 R324.1 ; v3(33.2,23) 33.21,22.99 33.37,22.99 33.57,23.19 U3.6
N16831291: length 1.1
  BOTTOM w0.2: U3.4 35.94,23.75 R6.2
N16853996: length 2.2
  BOTTOM w0.25: 30.95,14.24 U4.A1
  BOTTOM w0.5: L2.1 30.95,12.34 30.95,14.24
N16854042: length 9.4
  TOP w0.2: v3(25.89,14.92) 26.51,15.54 28.17,15.54 v3(29.05,14.66)
  BOTTOM w0.2: v3(25.89,14.92) 23.86,14.92 23.55,14.61 R322.2 ; v3(25.89,14.92) 25.89,15.36 v2(25.38,15.87) ; v3(25.89,14.92) 25.88,14.91 R323.1 ; v3(29.05,14.66) 29.2,14.66 29.47,14.39 U4.D1
N16931653: length 1.2
  BOTTOM w0.2: RR2.1 RR1.16
N16931655: length 1.2
  BOTTOM w0.2: RR2.2 RR1.15
N16931657: length 1.2
  BOTTOM w0.2: RR2.3 RR1.14
N16931659: length 1.2
  BOTTOM w0.2: RR2.4 RR1.13
N16931661: length 1.2
  BOTTOM w0.2: RR2.5 RR1.12
N16931663: length 1.2
  BOTTOM w0.2: RR2.6 RR1.11
N16931665: length 1.2
  BOTTOM w0.2: RR2.7 RR1.10
N16931667: length 1.2
  BOTTOM w0.2: RR2.8 RR1.9
N16944507: length 9.9
  TOP w0.3: v3(8.45,19.4) 8.45,19.34 8.93,18.86 9.85,18.86
  BOTTOM w0.3: v2(7.47,19.95) 7.9,19.95 v3(8.45,19.4) 8.88,19.4 9.73,20.25 9.73,23.83 DSW1.1
N17085499: length 11.7
  TOP w0.3: 44.86,8.5 40.61,12.75 v1(40.61,13)
  TOP w0.5: LD1.1 44.86,8.5
  BOTTOM w0.3: R5.2 41.69,13 v1(40.61,13)
N17085534: length 1.1
  BOTTOM w0.3: R7.2 43.69,14.5 43.91,14.28 U5.8

## Copper pours and planes (outline as drawn; the poured copper is in the pictures)
GND on TOP: 7.61,44.5 48.36,44.5 49.99,42.87 50.62,40.65 50.62,35.25 45.61,35.25 45.61,26.5 50.61,26.5 50.61,10.25 50.62,10.25 50.62,8.9 50.01,8.9 50.01,8.5 50.11,8.5 50.11,8.3 50.62,8.3 50.62,5.01 49.91,2.65 48.1,1 0.61,1 0.61,38 7.61,38 ; 2 cut-outs
GND on BOTTOM: 7.61,44.5 48.36,44.5 49.99,42.87 50.62,40.65 50.62,37.75 50.61,37.75 50.61,5.6 50.62,5.6 50.62,5.01 50.34,3.52 49.58,2.2 47.99,0.95 46.01,0.5 42.31,0.5 5.31,0.5 5.31,1.2 4.01,1.2 4.01,0.5 0.61,0.5 0.61,38 7.61,38
VBAT on BOTTOM: 46.41,10.6 46.41,12.9 47.21,12.9 47.21,11.6 47.41,11.4 47.41,10.6
VIO on TOP: 18.77,13.83 18.77,12.26 20.44,12.26 20.44,13.83
VIO on BOTTOM: 18.12,13.59 18.12,12.4 20.26,12.4 20.26,13.59
VIO_P on TOP: 15.11,13.62 15.11,12.38 15.98,12.38 16.23,12.62 16.24,13.12 15.74,13.62
VIO_P on BOTTOM: 17.12,13.72 17.11,11.91 13.52,11.91 13.52,13.71
VMODEM on TOP: 13.74,33.87 15.39,33.87 15.39,32.65 14.98,32.24 13.74,32.24
VMODEM on BOTTOM: 13.74,32.24 13.74,33.87 15.39,33.87 15.39,32.24
VMODEM_P on BOTTOM: 12.74,33.24 12.74,31.96 12.74,31.96 12.51,29.95 12.51,28.55 9.71,28.55 9.71,29.95 9.72,33.24 10.83,33.24 12.73,33.24
VUSB on BOTTOM: 46.41,13.1 46.41,15.4 47.41,15.4 47.41,14.6 47.21,14.4 47.21,13.1

## Text on the board
BOTTOM: 20173047_V14
Ref Des/Silkscreen Bottom: 3V3 | 1V8 | 2.1 | ACTIVE
Ref Des/Silkscreen Top: CHG | GND | VMAIN | RX | AUX1 | AUX2 | TX | AUX3 | SDA | SCL | AUX4 | ATTN | AUXEN | RST | AUXRX | AUXTX | EN | <VUSB | VBAT | <VIO | NOTECARRIER-B | LIPO
XSECTION_CHART: *  SURFACE - AIR 0 MM | L1 TOP CONDUCTOR - COPPER 0.018 MM | *  DIELECTRIC - FR-4 1.514 MM | L2 BOTTOM CONDUCTOR - COPPER 0.018 MM | DESIGN CROSS SECTION CHART | ___________________________ | TOTAL THICKNESS 1.55 MM | 1-2
PAGE_OUTLINE: Blues Inc
User.16: FIGURE | FINISHED SIZE | 0.254 | 0.3 | 1.0 | 3.7 | 1.1 | 1.6 | 3.3 | ALL UNITS ARE IN MILLIMETERS | TOLERANCE | +0.0/-0.0 | +0.075/-0.075 | +0.05/-0.05 | +0.1/-0.1 | TYPE | PLATED | NON-PLATED | QTY | 178 | 17 | 24 | 20 | 1 | 4 | DRILL CHART: TOP to BOTTOM
User.18: TP21 | TP16 | TP23 | TP13 | TP11 | TP22 | TP24 | TP18 | TP15 | TP14 | TP17 | TP25 | TP8 | TP26 | TP10 | TP39 | TP20 | TP38 | TP9 | TP12 | TP19 | TP28 | TP1 | TP29 | TP2 | TP3 | TP30 | TP31 | TP7 | TP4 | TP32 | TP5 | TP33 | TP6 | TP34 | TP35
User.31: NOTES: | 2) Scale 1:1 | 1) All Dimensions are in millimeters
